# Altium PCB roach2.PcbDoc (part 35 of 39)
Units mil, origin at the board's own origin, x right, y up, seen from the top; angles counter-clockwise.
Board outline 12007.87 x 9606.3 mil, 16 copper layers (L1_TOP, L2_G, L3_S, L4_G, L5_S, L6_P, L7_G, L8_R, L9_R, L10_P, L11_P, L12_S, L13_P, L14_S, L15_G, L16_BOT), stack 81.651 mil thick; 1568 components, 1918 nets, 9251 pads, 6741 vias.
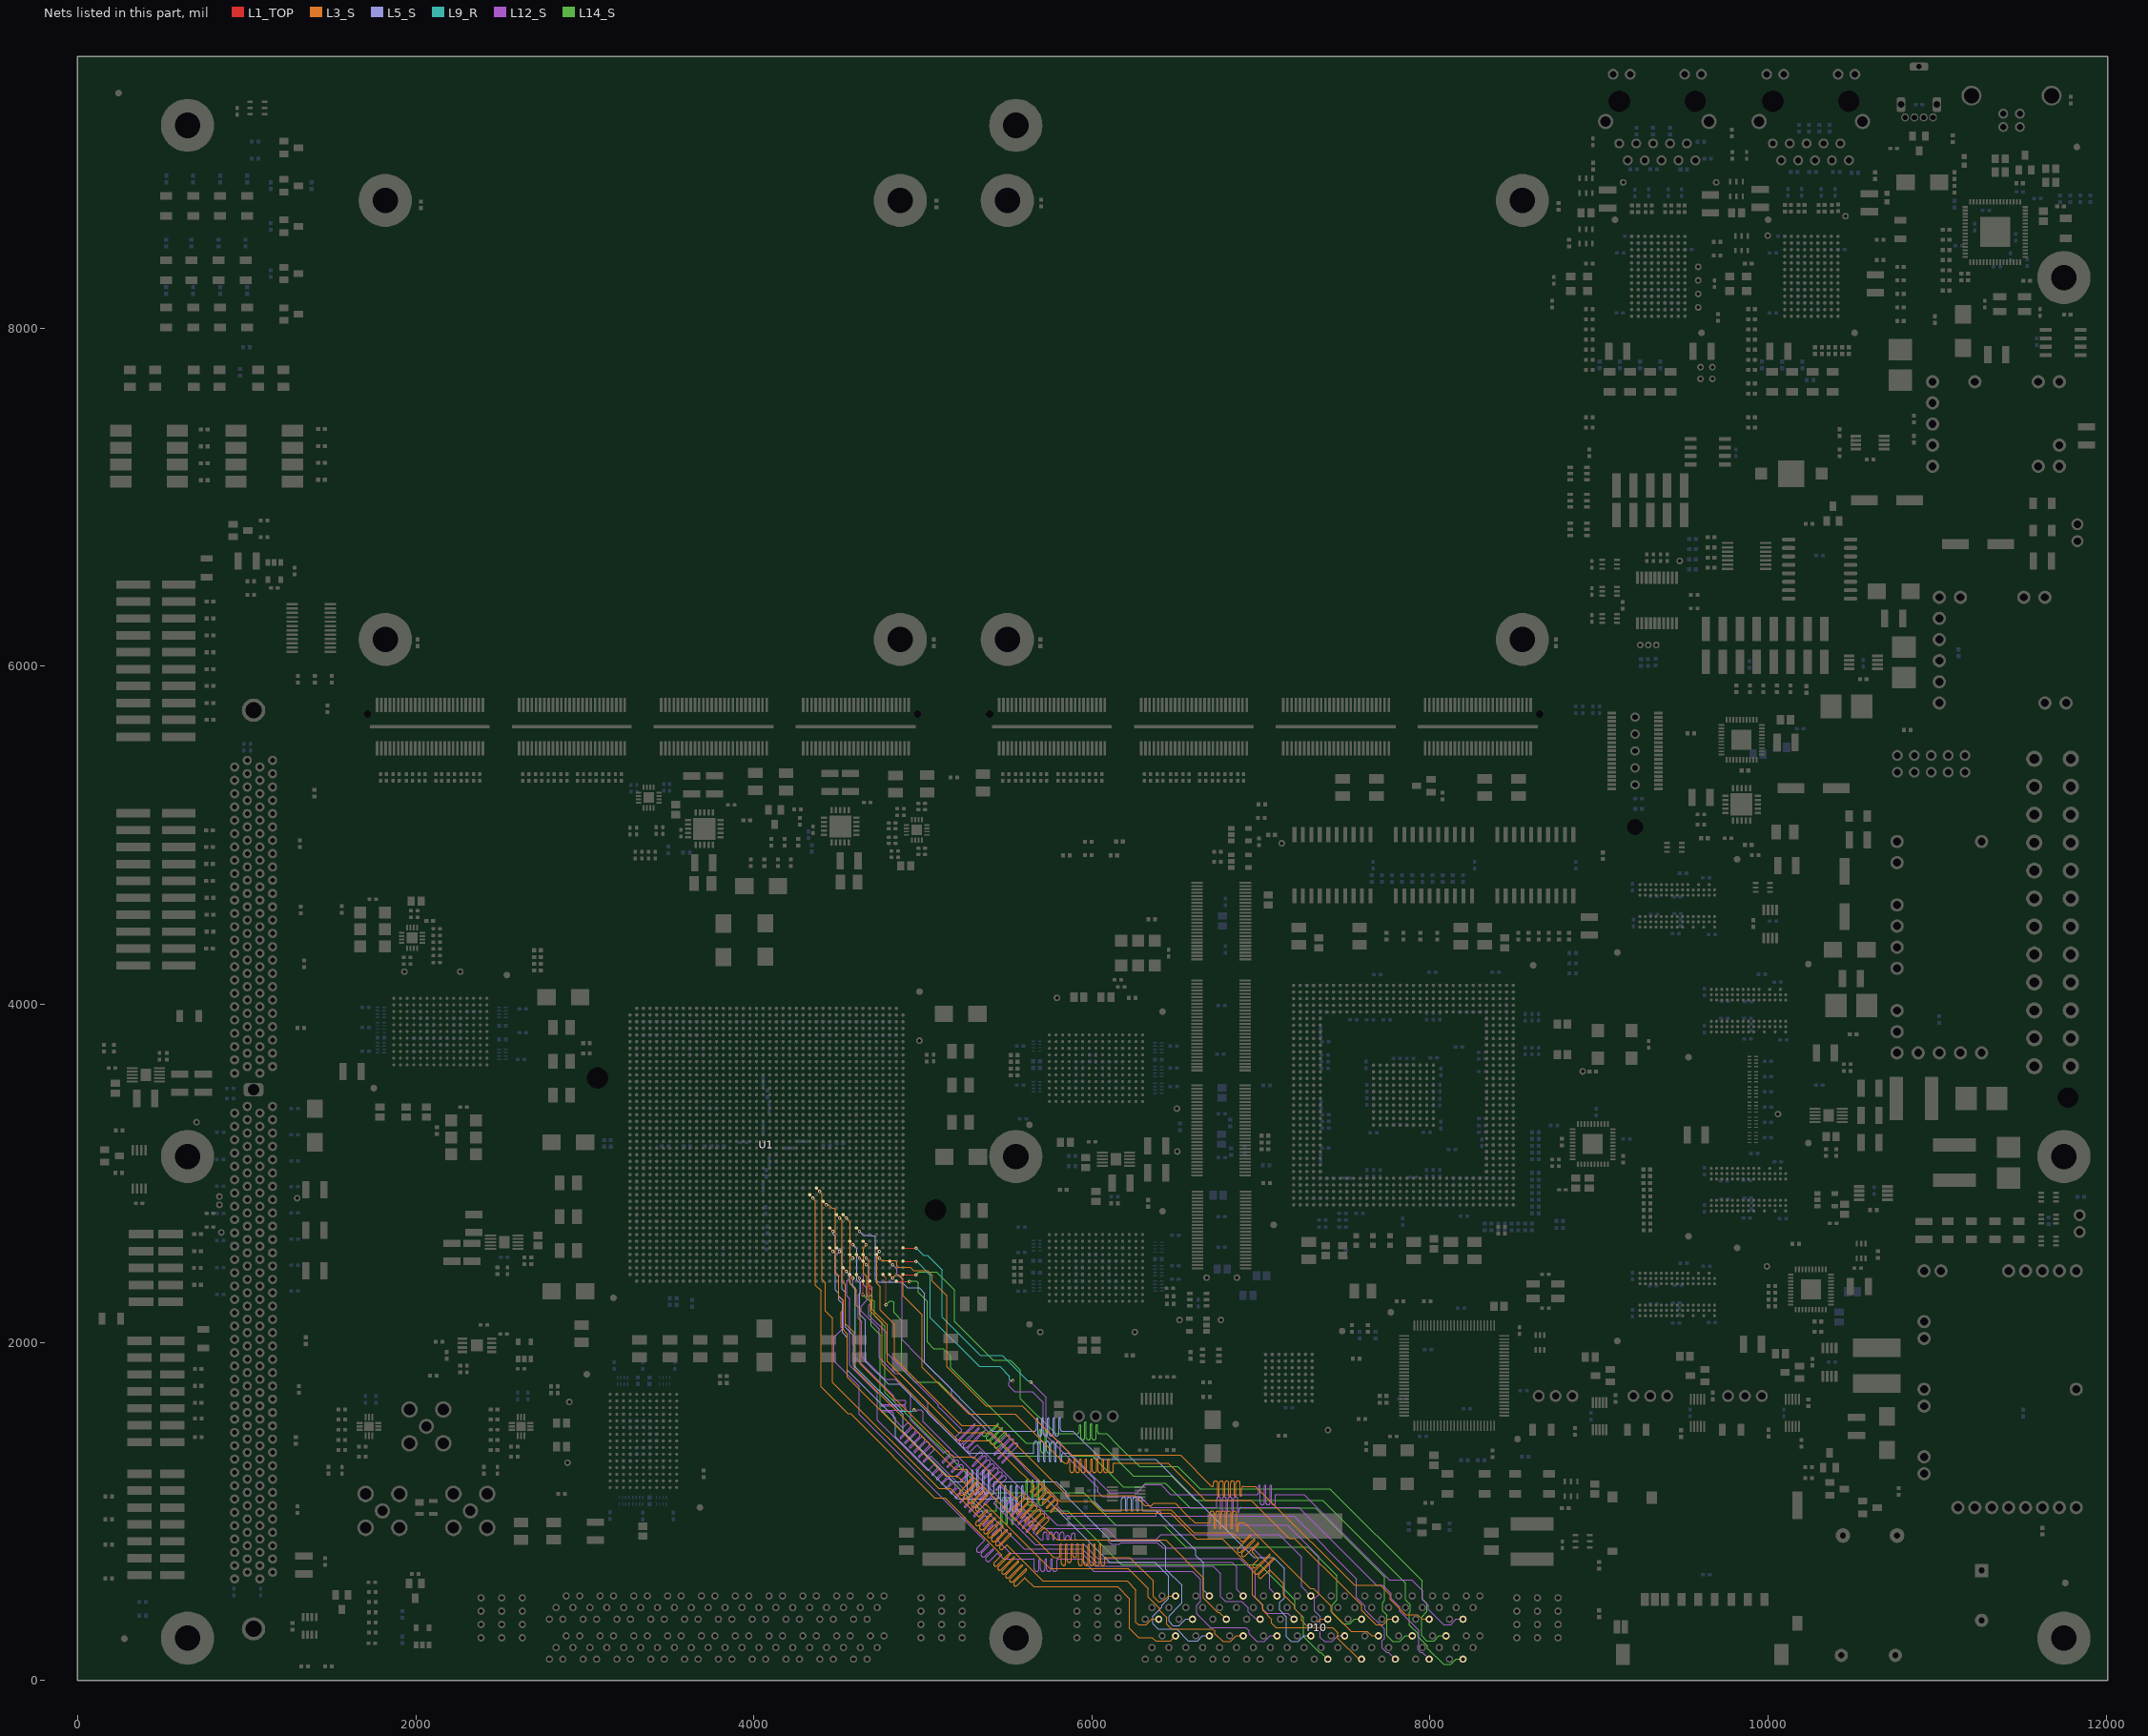
[diagram p49: the nets of this part, all layers, seen from the top]

## Via types
v1: diameter 19.4, hole 10, L1_TOP to L16_BOT, tented both sides, 3354 vias
v2: diameter 19.4, hole 10, L1_TOP to L16_BOT, 1954 vias
v3: diameter 19.4, hole 10, L1_TOP to L16_BOT, tented top, 429 vias
v4: diameter 18.6, hole 10, L1_TOP to L16_BOT, tented both sides, 311 vias
v5: diameter 59.06, hole 39.37, L1_TOP to L16_BOT, 217 vias
v6: diameter 19.4, hole 10.04, L1_TOP to L16_BOT, 125 vias
v7: diameter 19, hole 10, L1_TOP to L16_BOT, 93 vias
v8: diameter 19.4, hole 10, L1_TOP to L16_BOT, tented bottom, 80 vias
v9: diameter 25.98, hole 12.99, L1_TOP to L16_BOT, tented top, 55 vias
v10: diameter 20, hole 10, L1_TOP to L16_BOT, 53 vias
v11: diameter 59.06, hole 39.37, L1_TOP to L16_BOT, tented top, 44 vias
v12: diameter 20, hole 10, L1_TOP to L16_BOT, tented top, 16 vias
v13: diameter 19, hole 10, L1_TOP to L16_BOT, tented top, 5 vias
v14: diameter 25.98, hole 12.99, L1_TOP to L16_BOT, 4 vias
v15: diameter 50, hole 28, L1_TOP to L16_BOT, 1 vias

## Nets (pads, with @x,y where several pads share a name; then routed paths per layer and width w, separated by ;. In a path a pad name is that pad's centre, name@x,y a point inside that pad or via, vN(x,y) a via of type N, cw(c..) or ccw(c..) an arc to the next point about the centre after c; other vN are vias at no path point) (continued)
ZDOK0.DP_N5: P10.A12 U1.G42 | length 5208.3
  L1_TOP w5: v2(4644.77,2281.93) U1.G42@4644.77,2360.67
  L14_S w3.8: v2@4645.67,2283.46 4645.67,2281.93 4645.67,2281.11 4672.99,2253.79 4678.22,2253.79 4693.99,2238.02 4693.99,2156.99 4693.39,2156.39 4693.39,2097.59 4746.28,2044.71 4746.28,1604.71 5347.99,1002.99 5430.99,1002.99 ccw(c5430.99,1007.39) 5435.39,1007.39 5435.39,1069.64 cw(c5447.59,1069.64) 5459.79,1069.64 5459.79,928.54 ccw(c5464.19,928.54) 5468.59,928.54 5468.59,1069.64 cw(c5480.79,1069.64) 5492.99,1069.64 5492.99,928.54 ccw(c5497.39,928.54) 5501.79,928.54 5501.79,1069.64 cw(c5513.99,1069.64) 5526.19,1069.64 5526.19,928.54 ccw(c5530.59,928.54) 5534.99,928.54 5534.99,1069.64 cw(c5547.19,1069.64) 5559.39,1069.64 5559.39,1007.39 ccw(c5563.79,1007.39) 5563.79,1002.99 5856.22,1002.99 5861.46,997.75 5925.61,933.61 6173.42,685.79 6991.22,685.79 7187.45,489.57 7187.45,488.59 7200.79,475.24 7200.79,422.99 7252.99,370.79 7252.99,257.88 7343.55,167.33 7353.77,167.33 P10.A12@7395.12,125.98
ZDOK0.DP_N6: P10.A14 U1.G36 | length 5249.8
  L1_TOP w5: U1.G36@4644.77,2596.89 v1(4664.46,2577.2)
  L3_S w3.8: v1(4664.46,2577.2) 4648.86,2561.6 4648.86,2407.13 4668.54,2387.44 4668.54,2275.47 4689.99,2254.02 4689.99,2181.49 4757.79,2113.69 4757.79,1868.99 5208.79,1417.99 5391.22,1417.99 5526.6,1282.61 5654.46,1154.75 cw(c5645.84,1146.13) 5658.04,1146.13 cw(c5645.84,1146.13) 5654.46,1137.5 5636.87,1119.91 ccw(c5639.98,1116.8) 5636.87,1113.69 ccw(c5639.98,1116.8) 5643.09,1113.69 5685.31,1155.9 cw(c5693.94,1147.28) 5702.57,1155.9 cw(c5693.94,1147.28) 5706.14,1147.28 cw(c5693.94,1147.28) 5702.57,1138.65 5683.81,1119.9 5660.35,1096.43 ccw(c5663.46,1093.32) 5660.35,1090.21 ccw(c5663.46,1093.32) 5666.57,1090.21 5708.79,1132.43 cw(c5717.41,1123.8) 5726.04,1132.43 cw(c5717.41,1123.8) 5729.61,1123.8 cw(c5717.41,1123.8) 5726.04,1115.18 5707.29,1096.42 ; 5707.28,1096.41 5683.82,1072.96 ccw(c5686.93,1069.85) 5683.82,1066.74 ccw(c5686.93,1069.85) 5690.04,1066.74 5732.26,1108.95 cw(c5740.89,1100.33) 5749.52,1108.95 cw(c5740.89,1100.33) 5753.09,1100.33 cw(c5740.89,1100.33) 5749.52,1091.7 5730.76,1072.95 5707.3,1049.48 ccw(c5710.41,1046.37) 5707.3,1043.26 ccw(c5710.41,1046.37) 5713.52,1043.26 5755.74,1085.48 cw(c5764.36,1076.85) 5772.99,1085.48 cw(c5764.36,1076.85) 5776.56,1076.85 cw(c5764.36,1076.85) 5772.99,1068.23 5730.78,1026.01 ccw(c5733.88,1022.9) 5730.77,1019.79 ccw(c5733.88,1022.9) 5736.99,1019.79 5779.21,1062 cw(c5787.84,1053.38) 5796.47,1062 cw(c5787.84,1053.38) 5800.04,1053.38 cw(c5787.84,1053.38) 5796.47,1044.75 5754.25,1002.54 ccw(c5757.36,999.42) 5754.25,996.31 ccw(c5757.36,999.42) 5760.47,996.31 5778.06,1013.9 cw(c5786.69,1005.28) 5795.31,1013.9 ; 5795.32,1013.9 5818.42,990.79 6466.22,990.79 6618.51,838.51 6772.48,838.51 6950.79,660.19 6950.79,505.19 7010.79,445.19 7010.79,412.99 7062.99,360.79 7062.99,337.99 7087.99,312.99 7424.02,312.99 7455.79,281.22 7455.79,247.99 7577.8,125.98 P10.A14@7595.12,125.98
ZDOK0.DP_N7: P10.A16 U1.C39 | length 5248
  L1_TOP w5: U1.C39@4802.25,2478.78 v1(4821.94,2459.09)
  L12_S w3.8: v1(4821.94,2459.09) 4845.71,2435.32 4845.71,2405.28 4875.99,2374.99 4875.99,2015.99 4965.76,1926.22 4965.9,1926.22 4991.22,1900.9 4991.22,1900.76 5169.78,1722.21 5169.78,1687.24 5448.17,1408.84 ccw(c5451.29,1411.95) 5454.4,1408.84 5494.1,1448.54 cw(c5502.73,1439.91) 5511.36,1448.54 cw(c5502.73,1439.91) 5514.93,1439.91 cw(c5502.73,1439.91) 5511.36,1431.29 5421.2,1341.13 ccw(c5424.3,1338.01) 5421.19,1334.9 ccw(c5424.3,1338.01) 5427.42,1334.9 ; 5427.42,1334.91 5517.58,1425.06 cw(c5526.21,1416.44) 5534.83,1425.07 cw(c5526.21,1416.44) 5538.41,1416.44 cw(c5526.21,1416.44) 5534.83,1407.81 5444.67,1317.65 ccw(c5447.78,1314.54) 5444.67,1311.43 ccw(c5447.78,1314.54) 5450.89,1311.43 5541.05,1401.59 cw(c5549.68,1392.96) 5558.31,1401.59 cw(c5549.68,1392.96) 5561.88,1392.96 cw(c5549.68,1392.96) 5558.31,1384.34 5512.74,1338.77 ; 5474.37,1287.95 cw(c5471.26,1291.06) 5468.14,1287.95 cw(c5471.26,1291.06) 5468.14,1294.17 5512.73,1338.76 ; 5474.37,1287.96 5513.09,1326.67 cw(c5521.72,1318.05) 5530.34,1326.67 5660.51,1196.51 5795.79,1061.22 5795.79,1030.19 5852.99,972.99 6376.99,972.99 ccw(c6376.99,977.39) 6381.39,977.39 6381.39,986.19 cw(c6395.79,986.19) 6410.19,986.19 6410.19,977.39 ccw(c6414.59,977.39) 6414.59,972.99 7194.02,972.99 7565.79,601.22 7565.79,490.19 7615.79,440.19 7615.79,417.99 7730.28,303.51 7730.28,249.14 7717.99,236.85 7717.99,192.88 7743.55,167.33 7753.77,167.33 P10.A16@7795.12,125.98
ZDOK0.DP_N8: P10.A18 U1.A39 | length 5182.5
  L1_TOP w5: U1.A39@4880.99,2478.78 4881.89,2478.78 v2(4959.73,2478.78)
  L9_R w3.8: v2@4960.63,2480.31 4960.95,2480 5043.99,2396.95 5043.99,2146.76 5333.56,1857.19 5455.56,1857.19 5512.9,1799.86 5512.9,1778.93 5519.35,1772.48 v2(5532.48,1772.48)
  L12_S w3.8: v2(5532.48,1772.48) 5517.48,1772.48 5507.99,1762.99 5507.99,1742.99 5542.99,1707.99 5647.99,1707.99 5710.79,1645.19 5710.79,1465.19 6035.79,1140.19 6035.79,1112.99 6060.79,1087.99 6284.02,1087.99 6349.02,1022.99 6733.59,1022.99 ccw(c6733.59,1027.39) 6737.99,1027.39 6737.99,1072.74 cw(c6750.19,1072.74) 6762.39,1072.74 6762.39,1000.45 ccw(c6766.79,1000.45) 6771.19,1000.45 6771.19,1072.74 cw(c6783.39,1072.74) 6795.59,1072.74 6795.59,1000.45 ccw(c6799.99,1000.45) 6804.39,1000.45 6804.39,1072.74 cw(c6816.59,1072.74) 6828.79,1072.74 6828.79,1000.45 ccw(c6833.19,1000.45) 6837.59,1000.45 6837.59,1072.74 cw(c6849.79,1072.74) 6861.99,1072.74 6861.99,1000.45 ccw(c6866.39,1000.45) 6870.79,1000.45 6870.79,1010.79 cw(c6882.99,1010.79) 6882.99,1022.99 7224.02,1022.99 7684.02,562.99 7721.22,562.99 7770.79,513.42 7770.79,485.19 7820.79,435.19 7820.79,407.99 7932.99,295.79 7932.99,211.88 7927.41,206.3 7927.41,183.47 7943.55,167.33 7953.77,167.33 P10.A18@7995.12,125.98
ZDOK0.DP_N9: P10.A20 U1.B42 | length 5184.3
  L1_TOP w5: U1.B42@4841.62,2360.67 4842.52,2360.67 v2(4920.36,2360.67)
  L14_S w3.8: v2@4921.26,2362.2 4960.63,2362.2 4972.44,2350.39 4972.44,2295.15 5026.99,2240.6 5026.99,2000.96 5064.76,1963.19 5120.76,1963.19 5164.99,1918.96 5164.99,1850.76 5610.56,1405.19 5676.99,1405.19 ccw(c5676.99,1417.39) 5689.19,1417.39 5689.19,1478.66 cw(c5693.59,1478.66) 5697.99,1478.66 5697.99,1357.92 ccw(c5710.19,1357.92) 5722.39,1357.92 5722.39,1478.66 cw(c5726.79,1478.66) 5731.19,1478.66 5731.19,1357.92 ccw(c5743.39,1357.92) 5755.59,1357.92 5755.59,1400.79 cw(c5759.99,1400.79) 5759.99,1405.19 6050.79,1405.19 6245.79,1210.19 6470.79,1210.19 6615.28,1065.71 7364.25,1065.71 7642.48,787.48 7855.71,574.25 7855.71,475.28 7882.51,448.47 7882.51,408.54 7877.99,404.02 7877.99,327.99 7927.99,277.99 7927.99,260.19 7965.75,222.44 7966.37,222.44 7985.19,203.62 7985.19,189.76 8079.76,95.19 8123.37,95.19 8154.16,125.98 P10.A20@8195.12,125.98
ZDOK0.DP_N10: P10.D2 U1.P28 | length 5277.9
  L1_TOP w5: U1.P28@4369.18,2911.85 v1(4388.87,2892.16)
  L3_S w3.8: v1(4388.87,2892.16) 4404.84,2876.19 4404.84,2370.66 4424.52,2350.98 4424.52,2185.43 4465.99,2143.96 4465.99,1762.96 5093.76,1135.19 5162.99,1135.19 5258.09,1040.1 5323.86,974.32 ccw(c5332.49,982.95) 5341.11,974.32 5375.17,1008.38 cw(c5378.28,1005.27) 5381.39,1008.38 cw(c5378.28,1005.27) 5382.68,1005.27 cw(c5378.28,1005.27) 5381.39,1002.16 5341.47,962.24 ; 5341.46,962.23 5314.93,935.7 ccw(c5323.55,927.07) 5314.93,918.44 ccw(c5323.55,927.07) 5332.18,918.44 5398.64,984.9 cw(c5401.75,981.79) 5404.86,984.9 cw(c5401.75,981.79) 5406.15,981.79 cw(c5401.75,981.79) 5404.86,978.68 5364.95,938.76 5338.41,912.23 ccw(c5347.03,903.59) 5338.4,894.97 ccw(c5347.03,903.59) 5355.66,894.97 5382.19,921.5 5422.11,961.42 cw(c5425.23,958.32) 5428.34,961.43 cw(c5425.23,958.32) 5429.63,958.32 cw(c5425.23,958.32) 5428.34,955.21 5388.42,915.29 ; 5388.41,915.28 5361.88,888.75 ccw(c5370.5,880.12) 5361.88,871.49 ccw(c5370.5,880.12) 5379.13,871.49 5405.66,898.03 ; 5405.67,898.04 5445.59,937.95 cw(c5448.7,934.84) 5451.81,937.95 cw(c5448.7,934.84) 5453.1,934.84 cw(c5448.7,934.84) 5451.81,931.73 5411.9,891.81 5385.36,865.28 ccw(c5393.98,856.64) 5385.35,848.02 ccw(c5393.98,856.64) 5402.61,848.02 5429.14,874.55 5469.06,914.47 cw(c5472.18,911.37) 5475.29,914.48 cw(c5472.18,911.37) 5476.58,911.37 cw(c5472.18,911.37) 5475.29,908.26 5435.37,868.34 ; 5435.36,868.33 5408.83,841.8 ccw(c5417.45,833.17) 5408.83,824.54 ccw(c5417.45,833.17) 5426.08,824.54 5492.54,891 cw(c5495.65,887.89) 5498.76,891 cw(c5495.65,887.89) 5500.05,887.89 cw(c5495.65,887.89) 5498.76,884.78 5432.3,818.32 ccw(c5440.93,809.69) 5432.3,801.07 ccw(c5440.93,809.69) 5449.56,801.07 5516.02,867.53 cw(c5519.13,864.42) 5522.24,867.53 cw(c5519.13,864.42) 5523.53,864.42 cw(c5519.13,864.42) 5522.24,861.31 5455.78,794.85 ccw(c5464.41,786.22) 5455.78,777.59 ccw(c5464.41,786.22) 5473.03,777.59 5493.7,798.26 cw(c5496.81,795.15) 5499.92,798.26 5710.19,587.99 6207.99,587.99 6260.19,535.79 6260.19,344.76 6274.76,330.19 6322.15,330.19 6354.16,362.2 P10.D2@6395.12,362.2
ZDOK0.DP_N11: P10.D4 U1.M34 | length 5280.4
  L1_TOP w5: U1.M34@4447.92,2675.63 v1(4467.61,2655.94)
  L5_S w3.8: v1(4467.61,2655.94) 4467.61,2638.64 4483.21,2623.04 4483.21,2559.28 4489.05,2553.43 4513.44,2553.43 4522.58,2544.3 4522.58,2313.91 4542.26,2294.22 4542.26,2256.22 4542.99,2255.49 4542.99,2089.76 4590.19,2042.56 4590.19,1864.76 4882.99,1571.96 4882.99,1471.96 5141.47,1213.48 5174.52,1180.44 5179.76,1175.19 5242.39,1175.19 ccw(c5242.39,1187.39) 5254.59,1187.39 5254.59,1239.6 cw(c5258.99,1239.6) 5263.39,1239.6 5263.39,1112.98 ccw(c5275.59,1112.98) 5287.79,1112.98 5287.79,1239.6 cw(c5292.19,1239.6) 5296.59,1239.6 5296.59,1112.98 ccw(c5308.79,1112.98) 5320.99,1112.98 5320.99,1239.6 cw(c5325.39,1239.6) 5329.79,1239.6 5329.79,1112.98 ccw(c5341.99,1112.98) 5354.19,1112.98 5354.19,1239.6 cw(c5358.59,1239.6) 5362.99,1239.6 5362.99,1112.98 ccw(c5375.19,1112.98) 5387.39,1112.98 5387.39,1239.6 cw(c5391.79,1239.6) 5396.19,1239.6 5396.19,1112.98 ccw(c5408.39,1112.98) 5420.59,1112.98 5420.59,1170.79 cw(c5424.99,1170.79) 5424.99,1175.19 5787.99,1175.19 5847.99,1115.19 5847.99,1089.76 6112.56,825.19 6400.79,825.19 6437.99,787.99 6437.99,657.99 6532.99,562.99 6532.99,459.13 6519.61,445.75 6519.61,445.64 6455.19,381.22 6455.19,349.76 6479.76,325.19 6517.15,325.19 6554.16,362.2 P10.D4@6595.12,362.2
ZDOK0.DP_N12: P10.D6 U1.K32 | length 5269.1
  L1_TOP w5: U1.K32@4526.66,2754.37 v1(4546.35,2734.68)
  L3_S w3.8: v1(4546.35,2734.68) 4570.12,2710.91 4570.12,2345.37 4606.99,2308.49 4606.99,2219.99 4628.99,2197.99 4628.99,1872.99 5178.99,1322.99 5301.22,1322.99 5393.1,1231.11 5550.52,1073.69 ccw(c5553.64,1076.8) 5556.75,1073.69 5583.36,1100.31 ; 5538.26,1008.26 cw(c5535.15,1011.37) 5532.04,1008.26 cw(c5535.15,1011.37) 5532.04,1014.48 5600.62,1083.06 ccw(c5591.99,1091.68) 5604.19,1091.68 ccw(c5591.99,1091.68) 5600.62,1100.31 ccw(c5591.99,1091.68) 5583.37,1100.31 ; 5538.27,1008.26 5606.84,1076.83 cw(c5615.47,1068.21) 5624.1,1076.84 cw(c5615.47,1068.21) 5627.67,1068.21 cw(c5615.47,1068.21) 5624.1,1059.58 5555.52,991 ccw(c5558.63,987.89) 5555.52,984.78 ccw(c5558.63,987.89) 5561.74,984.78 5630.31,1053.36 ; 5585.21,961.31 cw(c5582.1,964.42) 5578.99,961.31 cw(c5582.1,964.42) 5578.99,967.53 5647.57,1036.11 ccw(c5638.94,1044.73) 5651.14,1044.73 ccw(c5638.94,1044.73) 5647.57,1053.36 ccw(c5638.94,1044.73) 5630.32,1053.36 ; 5585.22,961.31 5653.79,1029.88 cw(c5662.42,1021.26) 5671.05,1029.88 cw(c5662.42,1021.26) 5674.62,1021.26 cw(c5662.42,1021.26) 5671.05,1012.63 5602.47,944.05 ccw(c5605.58,940.94) 5602.47,937.83 ccw(c5605.58,940.94) 5608.69,937.83 5677.26,1006.4 ; 5632.16,914.36 cw(c5629.05,917.47) 5625.94,914.36 cw(c5629.05,917.47) 5625.94,920.58 5694.52,989.16 ccw(c5685.89,997.78) 5698.09,997.78 ccw(c5685.89,997.78) 5694.52,1006.41 ccw(c5685.89,997.78) 5677.27,1006.41 ; 5632.17,914.36 5700.74,982.93 cw(c5709.37,974.31) 5718,982.93 cw(c5709.37,974.31) 5721.57,974.31 cw(c5709.37,974.31) 5718,965.68 5649.42,897.1 ; 5649.42,897.1 ccw(c5652.53,893.99) 5649.42,890.88 ccw(c5652.53,893.99) 5655.64,890.88 5724.21,959.45 ; 5679.11,867.41 cw(c5676,870.52) 5672.89,867.41 cw(c5676,870.52) 5672.89,873.63 5741.47,942.21 ccw(c5732.84,950.83) 5745.04,950.83 ccw(c5732.84,950.83) 5741.47,959.46 ccw(c5732.84,950.83) 5724.22,959.46 ; 5679.12,867.41 5709.33,897.62 cw(c5717.96,889) 5726.59,897.63 5793.42,830.79 6436.22,830.79 6660.79,606.22 6660.79,486.3 6743.55,403.55 6753.77,403.55 P10.D6@6795.12,362.2
ZDOK0.DP_N13: P10.D8 U1.K40 | length 5230.6
  L1_TOP w5: U1.K40@4526.66,2439.41 v1(4546.35,2419.72)
  L12_S w3.8: v1(4546.35,2419.72) 4561.95,2404.12 4561.95,2373.89 4550.43,2362.38 4550.43,2275.47 4565.99,2259.91 4565.99,1864.99 4731.78,1699.21 4731.78,1539.21 5026.75,1244.23 ccw(c5029.86,1247.34) 5032.97,1244.23 5057.96,1269.22 cw(c5068.57,1258.61) 5083.58,1258.61 cw(c5068.57,1258.61) 5079.18,1247.99 5054.2,1223.01 ccw(c5057.31,1219.9) 5054.2,1216.79 ccw(c5057.31,1219.9) 5060.42,1216.79 5085.4,1241.77 cw(c5096.01,1231.16) 5111.02,1231.16 cw(c5096.01,1231.16) 5106.63,1220.55 5081.64,1195.56 ccw(c5084.75,1192.45) 5081.64,1189.34 ccw(c5084.75,1192.45) 5087.86,1189.34 5112.85,1214.33 cw(c5123.46,1203.72) 5138.47,1203.72 cw(c5123.46,1203.72) 5134.07,1193.1 5109.09,1168.12 ccw(c5112.2,1165.01) 5109.09,1161.9 ccw(c5112.2,1165.01) 5115.31,1161.9 5140.29,1186.88 cw(c5150.9,1176.27) 5165.91,1176.27 cw(c5150.9,1176.27) 5161.52,1165.66 5136.53,1140.67 ccw(c5139.64,1137.56) 5136.53,1134.45 ccw(c5139.64,1137.56) 5142.75,1134.45 5167.74,1159.44 cw(c5178.35,1148.83) 5193.36,1148.83 cw(c5178.35,1148.83) 5188.96,1138.21 5163.98,1113.23 ccw(c5167.09,1110.12) 5163.98,1107.01 ccw(c5167.09,1110.12) 5170.2,1107.01 5195.18,1131.99 cw(c5205.8,1121.38) 5220.8,1121.38 cw(c5205.8,1121.38) 5216.41,1110.77 5191.42,1085.78 ccw(c5194.53,1082.67) 5191.42,1079.56 ccw(c5194.53,1082.67) 5197.64,1079.56 5222.63,1104.55 cw(c5233.24,1093.93) 5248.25,1093.93 cw(c5233.24,1093.93) 5243.85,1083.32 5218.87,1058.34 ccw(c5221.98,1055.23) 5218.87,1052.12 ccw(c5221.98,1055.23) 5225.09,1052.12 5250.07,1077.1 cw(c5260.69,1066.49) 5275.69,1066.49 cw(c5260.69,1066.49) 5271.3,1055.88 5246.31,1030.89 ccw(c5249.42,1027.78) 5246.31,1024.67 ccw(c5249.42,1027.78) 5252.53,1024.67 5277.52,1049.66 cw(c5288.13,1039.04) 5303.14,1039.04 cw(c5288.13,1039.04) 5298.74,1028.43 5273.76,1003.45 ccw(c5276.87,1000.34) 5273.76,997.23 ccw(c5276.87,1000.34) 5279.98,997.23 5304.96,1022.21 cw(c5315.58,1011.6) 5330.58,1011.6 cw(c5315.58,1011.6) 5326.19,1000.99 5301.2,976 ccw(c5304.31,972.89) 5301.2,969.78 ccw(c5304.31,972.89) 5307.42,969.78 5332.41,994.77 cw(c5343.02,984.15) 5358.03,984.15 cw(c5343.02,984.15) 5353.63,973.54 5328.65,948.56 ccw(c5331.76,945.45) 5328.65,942.34 ccw(c5331.76,945.45) 5334.87,942.34 5359.85,967.32 cw(c5370.47,956.71) 5385.47,956.71 cw(c5370.47,956.71) 5381.08,946.1 5356.09,921.11 ccw(c5359.2,918) 5356.09,914.89 ccw(c5359.2,918) 5362.32,914.89 5387.3,939.88 cw(c5397.91,929.26) 5412.92,929.26 cw(c5397.91,929.26) 5408.52,918.65 5383.54,893.67 ccw(c5386.65,890.56) 5383.54,887.45 ccw(c5386.65,890.56) 5389.76,887.45 5414.74,912.43 cw(c5425.36,901.82) 5440.36,901.82 cw(c5425.36,901.82) 5435.97,891.21 5410.98,866.22 ccw(c5414.09,863.11) 5410.98,860 ccw(c5414.09,863.11) 5417.21,860 5442.19,884.99 cw(c5452.8,874.37) 5467.81,874.37 cw(c5452.8,874.37) 5463.41,863.76 5438.43,838.78 ccw(c5441.54,835.67) 5438.43,832.56 5517.99,752.99 5941.22,752.99 6018.42,675.79 6716.22,675.79 6760.79,631.22 6760.79,496.22 6789.02,467.99 6886.22,467.99 6925.79,428.42 6925.79,405.19 6968.78,362.2 P10.D8@6995.12,362.2
ZDOK0.DP_N14: P10.D10 U1.H41 | length 5239.4
  L1_TOP w5: U1.H41@4605.4,2400.04 v1(4625.09,2380.35)
  L12_S w3.8: v1(4625.09,2380.35) 4625.09,2362.4 4631.99,2355.49 4631.99,2294.99 4616.99,2279.99 4616.99,2141.99 4636.99,2121.99 4636.99,1917.99 4771.99,1782.99 4833.99,1782.99 4927.28,1689.71 4927.28,1538.71 5118.98,1347 ccw(c5122.09,1350.12) 5125.2,1347 5132.19,1353.99 cw(c5142.8,1343.38) 5157.81,1343.38 cw(c5142.8,1343.38) 5153.41,1332.77 5115.2,1294.56 ccw(c5118.31,1291.45) 5121.42,1288.34 5159.63,1326.55 cw(c5170.24,1315.93) 5185.25,1315.93 cw(c5170.24,1315.93) 5180.86,1305.32 5142.65,1267.11 ccw(c5145.76,1264) 5148.87,1260.89 5187.08,1299.1 cw(c5197.69,1288.49) 5212.7,1288.49 cw(c5197.69,1288.49) 5208.3,1277.88 5170.09,1239.67 ccw(c5173.2,1236.56) 5176.31,1233.45 5214.52,1271.66 cw(c5225.13,1261.04) 5240.14,1261.04 cw(c5225.13,1261.04) 5235.75,1250.43 5197.54,1212.22 ccw(c5200.65,1209.11) 5203.76,1206 5241.97,1244.21 cw(c5252.58,1233.6) 5267.59,1233.6 cw(c5252.58,1233.6) 5263.19,1222.99 5224.98,1184.78 ccw(c5228.09,1181.67) 5231.2,1178.56 5269.41,1216.77 cw(c5280.02,1206.15) 5295.03,1206.15 cw(c5280.02,1206.15) 5290.64,1195.54 5252.43,1157.33 ccw(c5255.54,1154.22) 5258.65,1151.11 5296.86,1189.32 cw(c5307.47,1178.71) 5322.48,1178.71 cw(c5307.47,1178.71) 5318.08,1168.1 5279.87,1129.89 ccw(c5282.98,1126.78) 5286.09,1123.67 5324.3,1161.88 cw(c5334.91,1151.26) 5349.92,1151.26 cw(c5334.91,1151.26) 5345.53,1140.65 5307.32,1102.44 ccw(c5310.43,1099.33) 5313.54,1096.22 5351.75,1134.43 cw(c5362.36,1123.82) 5377.37,1123.82 cw(c5362.36,1123.82) 5372.97,1113.21 5334.76,1075 ccw(c5337.87,1071.89) 5340.98,1068.78 5379.19,1106.99 cw(c5389.81,1096.37) 5404.81,1096.37 cw(c5389.81,1096.37) 5400.42,1085.76 5362.21,1047.55 ccw(c5365.32,1044.44) 5368.43,1041.33 5406.64,1079.54 cw(c5417.25,1068.93) 5432.26,1068.93 cw(c5417.25,1068.93) 5427.86,1058.32 5420.88,1051.33 ccw(c5423.99,1048.22) 5420.88,1045.11 5662.99,802.99 5954.02,802.99 6034.02,722.99 6874.02,722.99 6965.79,631.22 6965.79,490.19 7010.28,445.71 7010.28,421.74 7033.51,398.51 7158.81,398.51 P10.D10@7195.12,362.2
ZDOK0.DP_N15: P10.D12 U1.G38 | length 5253.5
  L1_TOP w5: U1.G38@4644.77,2518.15 v1(4664.46,2498.46)
  L3_S w3.8: v1(4664.46,2498.46) 4664.96,2498.46 4680.43,2482.99 4680.43,2343.53 4700.11,2323.84 4700.11,2193.84 4789.19,2104.76 4789.19,1886.76 5210.76,1465.19 5405.79,1465.19 5810.79,1060.19 5816.13,1060.19 5816.53,1060.59 5829.45,1060.59 5829.85,1060.19 5992.99,1060.19 6045.19,1007.99 6467.99,1007.99 6602.99,872.99 6832.99,872.99 6881.21,824.77 ; 6881.22,824.77 ccw(c6889.85,833.39) 6898.47,824.77 6933.07,859.36 cw(c6936.18,856.25) 6939.28,859.38 ; 6887.42,754.31 ccw(c6896.04,745.69) 6887.42,737.06 ccw(c6896.04,745.69) 6904.67,737.06 6980.02,812.42 cw(c6983.13,809.3) 6986.25,812.42 cw(c6983.13,809.3) 6987.53,809.3 cw(c6983.13,809.3) 6986.25,806.19 6951.65,771.6 ccw(c6960.27,762.97) 6951.65,754.34 6967.99,737.99 6972.09,733.9 6977.96,728.03 ; 6887.42,754.32 6962.77,829.66 ; 6939.3,859.37 cw(c6936.18,856.25) 6940.58,856.25 cw(c6936.18,856.25) 6939.3,853.14 6863.94,777.79 ccw(c6872.57,769.16) 6863.94,760.54 ccw(c6872.57,769.16) 6881.19,760.54 6956.55,835.89 cw(c6959.66,832.78) 6962.77,835.89 cw(c6959.66,832.78) 6964.06,832.78 cw(c6959.66,832.78) 6962.77,829.67 ; 6972.07,669.66 cw(c6963.44,678.29) 6954.81,669.66 cw(c6963.44,678.29) 6954.81,686.92 6983.83,715.93 ccw(c6980.72,719.04) 6985.12,719.04 ccw(c6980.72,719.04) 6983.83,722.15 6977.97,728.02 ; 6972.07,669.67 7047.42,745.02 cw(c7050.53,741.91) 7053.64,745.02 cw(c7050.53,741.91) 7054.93,741.91 cw(c7050.53,741.91) 7053.64,738.79 6963.71,648.86 ccw(c6972.33,640.23) 6963.71,631.6 ccw(c6972.33,640.23) 6980.96,631.6 7070.9,721.54 cw(c7074.01,718.43) 7077.12,721.54 cw(c7074.01,718.43) 7078.41,718.43 cw(c7074.01,718.43) 7077.12,715.32 ; 7077.11,715.31 6987.18,625.38 ccw(c6995.81,616.76) 6987.18,608.13 ccw(c6995.81,616.76) 7004.43,608.13 7048.03,651.73 cw(c7051.14,648.62) 7054.26,651.73 7132.99,572.99 7132.99,507.99 7197.99,442.99 7197.99,425.19 7240.19,382.99 7240.19,354.76 7269.76,325.19 7317.15,325.19 7354.16,362.2 P10.D12@7395.12,362.2